# KiCad board ETH1CLCR2.kicad_pcb (continued)
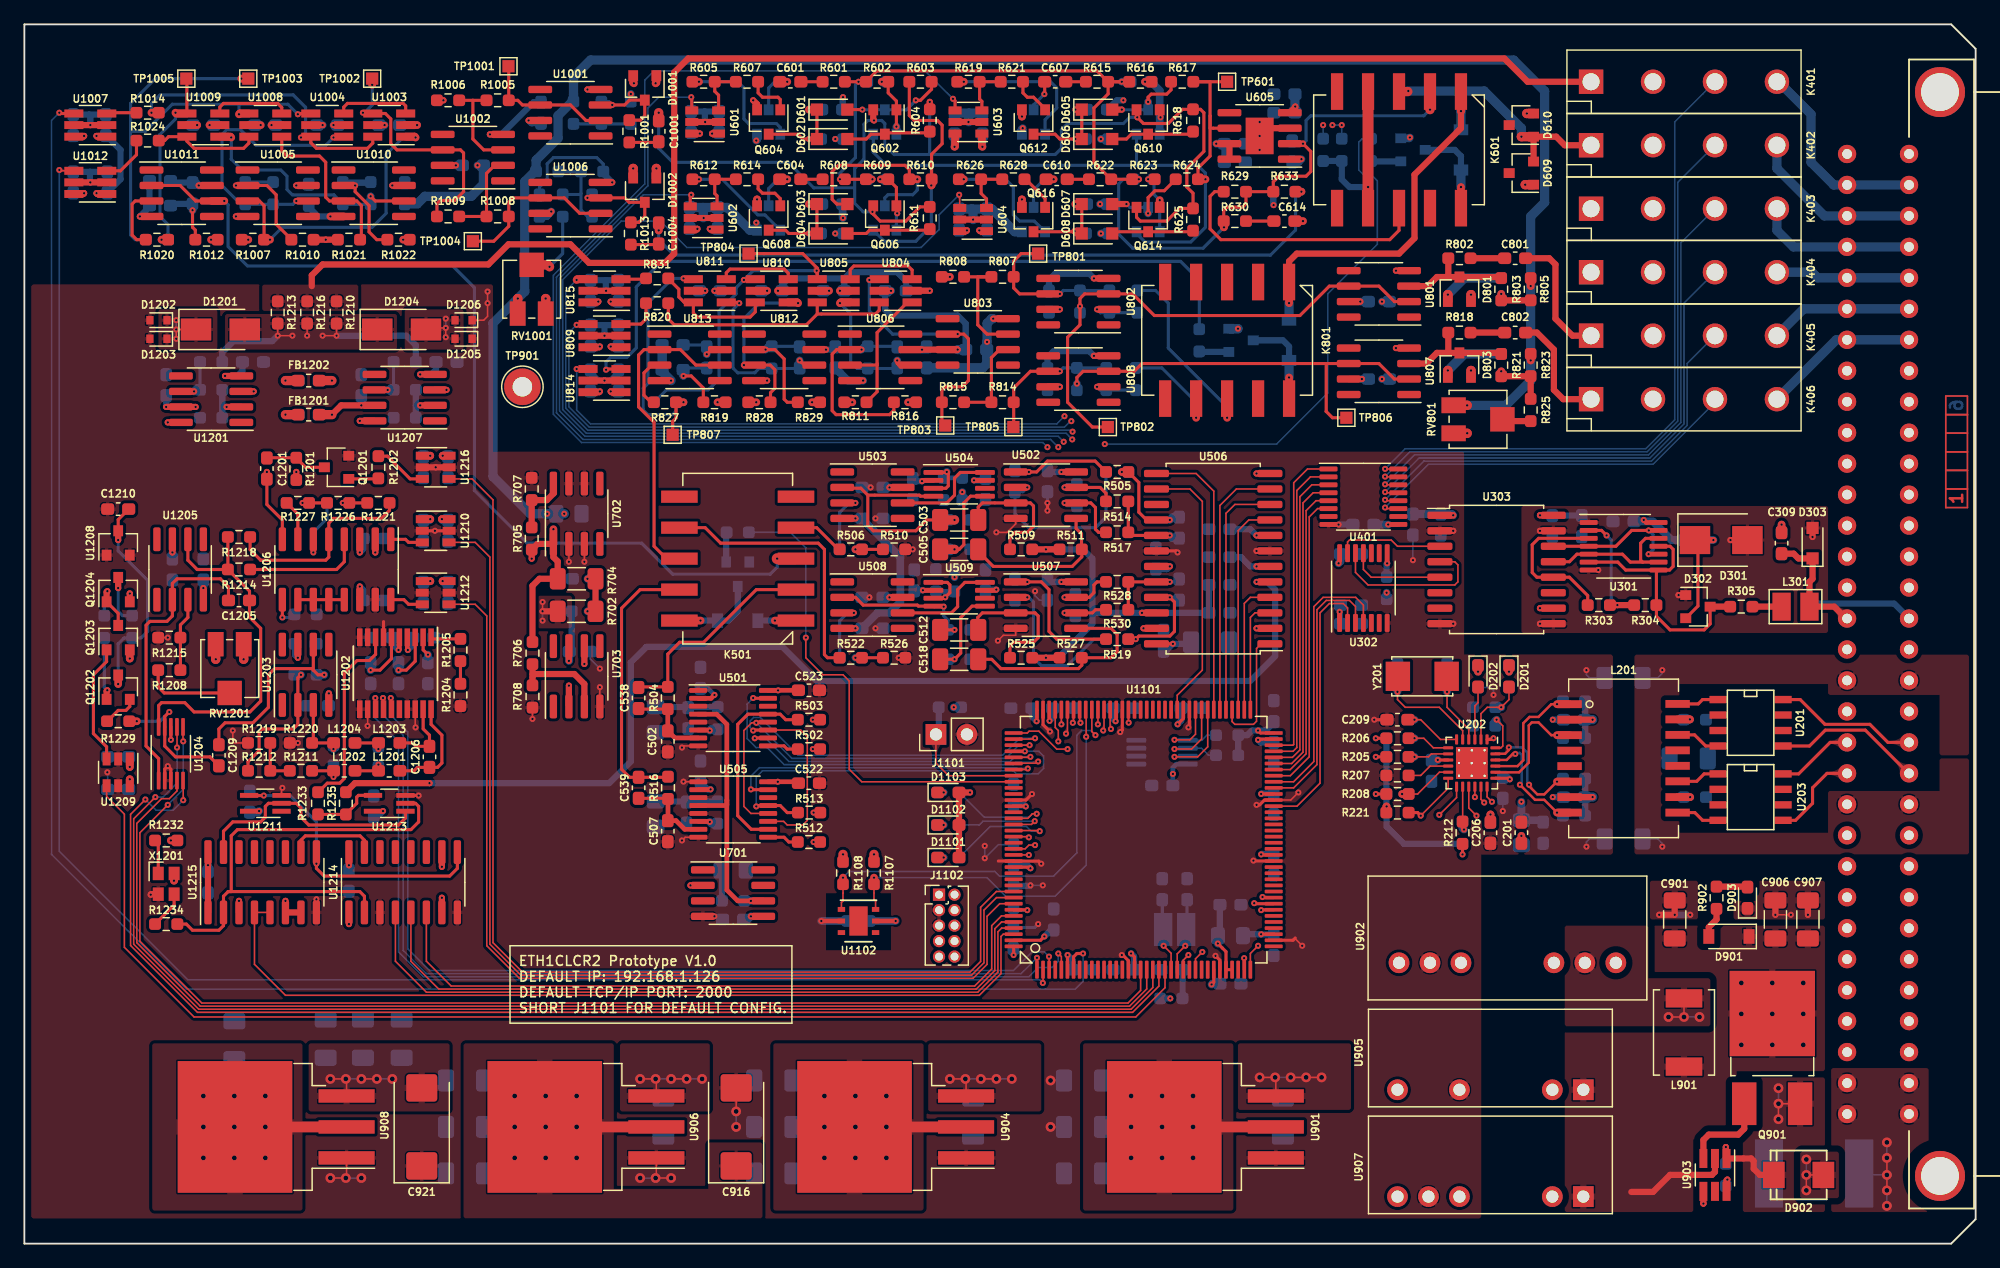
[diagram p0: board, top side]
## Routing (per net, layer and track width the routed paths; a pad name or vN(x,y) marks a point on that pad's centre or on a via; arc(x,y) is an arc through that point) (continued)
  Top w0.634: R624.1 v1(96.84,87.3) ; v1(74.37,86.79) 74.39,86.81 R610.1
  Bottom w0.254: 92.15,88.44 91.2,88.44 Q609.2 ; 92.15,88.44 96.21,88.44 96.84,87.8 v1(96.84,87.3) 96.84,83.36 95.64,82.15 91.89,82.15 91.2,82.85 Q613.2 ; 92.15,88.44 74.37,88.44 ; 74.37,88.44 v1(74.37,86.79) 74.37,83.48 73.1,82.22 70.51,82.22 Q605.2 ; 74.37,88.44 70.68,88.44 69.61,89.52 Q601.2
Net-(Q603-Pad1): length 10.8
  Top w0.634: R605.1 v1(55.32,95.3)
  Bottom w0.254: v1(55.32,95.3) 58.49,95.3 59,94.79 59,92.25 59.38,91.87 61.67,91.87 61.98,91.55 61.98,90.99
Net-(Q604-Pad1): length 3.8
  Top w0.254: 61.98,92.99 61.98,93.84 61.79,94.03 60.52,94.03 60.17,94.38 R607.1
Net-(Q607-Pad1): length 8.9
  Top w0.254: v1(55.32,87.3) R612.1
  Bottom w0.254: v1(55.32,87.3) 57.22,87.3 60.14,84.37 60.73,84.37 61.98,83.12
Net-(Q608-Pad1): length 3.5
  Top w0.254: R614.1 60.17,86.51 60.52,86.15 61.54,86.15 61.98,85.71 61.98,85.12
Net-(Q611-Pad1): length 12.6
  Top w0.634: R619.1 v1(77.03,95.3)
  Bottom w0.254: Q611.1 83.7,92.18 84.65,93.14 84.65,94.79 84.15,95.3 v1(77.03,95.3)
Net-(Q612-Pad1): length 3.4
  Top w0.254: Q612.1 83.7,93.08 82.75,94.03 82.24,94.03 81.88,94.38 R621.1
Net-(Q615-Pad1): length 10.2
  Top w0.634: R626.1 v1(77.03,87.3)
  Bottom w0.254: Q615.1 83.69,82.99 82.81,83.87 81.6,83.87 81.1,84.37 81.1,86.66 80.46,87.3 v1(77.03,87.3)
Net-(Q616-Pad1): length 3.1
  Top w0.254: Q616.1 83.7,85.71 82.11,87.3 R628.1
Net-(Q617-Pad1): length 2.4
  Bottom w0.508: Q617.1 110.47,88.76 R635.1
Net-(Q801-Pad1): length 2.4
  Bottom w0.508: R812.1 96.37,73.14 Q801.1
Net-(Q901-Pad1): length 7.3
  Top w0.508: Q901.1 141.03,9.43 140.53,8.94 138.12,8.94 137.68,8.49 U903.3
Net-(Q1201-Pad1): length 2.4
  Top w0.254: Q1201.1 28.99,62.72 R1202.1
Net-(Q1202-Pad1): length 5.2
  Top w0.508: Q1202.1 6.74,45.32 v1(6.8,45.38)
  Bottom w0.254: R1230.1 6.55,45.64 v1(6.8,45.38)
Net-(Q1202-Pad2): length 3
  Top w0.254: R1229.2 6.8,42.84 7.69,43.73 8.33,43.73 8.64,44.05 Q1202.2
Net-(Q1203-Pad1): length 9.8
  Top w0.254: U1209.3 6.74,40.75 5.66,41.83 5.66,46.66 6.74,47.74 Q1203.1
Net-(Q1203-Pad3): length 5.3
  Top w0.254: Q1203.3 7.69,51.69 Q1204.1
  Top w0.508: v1(6.8,53.51) 6.74,53.45 Q1204.1
  Bottom w0.254: R1230.2 6.55,52.24 6.8,52.5 v1(6.8,53.51)
Net-(Q1204-Pad3): length 4.1
  Top w0.508: Q1204.3 v1(7.69,53.77)
  Bottom w0.254: v1(7.69,53.77) 7.69,51.86 8.05,51.5 R1231.2
Net-(R207-Pad1): length 3.6
  Top w0.127: U202.10 115.26,39.17 114.5,38.4 R207.1
Net-(R209-Pad2): length 3.6
  Top w0.127: U202.24 121.08,40.67 121.23,40.81 121.23,42.46 v1(120.72,42.97)
  Bottom w0.634: R209.2 120.62,42.87 v1(120.72,42.97)
Net-(R301-Pad2): length 2
  Top w0.254: U302.8 v1(111.75,55.8)
  Bottom w0.508: v1(111.75,55.8) 111.7,55.75 R301.2
Net-(R303-Pad2): length 9.7
  Top w0.254: v1(129.74,58.08) 129.33,58.5 U301.2
  Top w0.508: R303.2 v1(130.63,52.37) R304.1
  Bottom w0.254: v1(130.63,52.37) 130.12,52.88 130.12,57.7 v1(129.74,58.08)
Net-(R502-Pad2): length 2.6
  Top w0.254: R502.2 62.56,40.56 62.29,40.82 U501.9
Net-(R503-Pad2): length 15.9
  Top w0.254: R503.2 62.43,42.97 61.98,43.42 U501.13 59.32,43.42 58.49,42.59 58.49,35.1 59.61,33.98 U505.10
Net-(R506-Pad1): length 2.8
  Top w0.254: R510.2 R506.1
  Top w0.634: R506.1 v1(68.14,56.94)
  Bottom w0.634: R506.1 v1(68.14,56.94)
Net-(R507-Pad1): length 5.7
  Top w0.254: v1(68.14,60.75) U503.3
  Bottom w0.254: R507.1 66.85,59.97 67.64,60.75 v1(68.14,60.75)
Net-(R512-Pad2): length 2.6
  Top w0.254: R512.2 62.68,32.94 62.29,33.33 60.99,33.33
Net-(R522-Pad1): length 2.8
  Top w0.254: R526.2 R522.1 v1(68.14,48.05)
  Bottom w0.634: R522.1 v1(68.14,48.05)
Net-(R523-Pad1): length 5.4
  Top w0.254: v1(68.02,51.73) U508.3
  Bottom w0.254: R523.1 66.85,51.08 67.51,51.73 v1(68.02,51.73)
Net-(R532-Pad1): length 5.7
  Top w0.254: 74.54,63.25 75.59,63.25 v1(75.64,63.29) 75.76,63.17 75.76,62.15 75.56,61.95 U504.3
  Bottom w0.381: R532.1 R533.1
  Bottom w0.634: v1(75.64,63.29) 75.38,63.04 R532.1
Net-(R534-Pad1): length 6
  Top w0.254: U509.1 75.68,54.23 75.89,54.02 75.89,53.39 v1(75.51,53) 75.44,52.93 U509.3
  Bottom w0.254: v1(75.51,53) 75.51,53.39
  Bottom w0.381: 75.53,53.49 75.53,53.03 v1(75.51,53) ; 75.53,53.49 R535.1 ; 75.53,53.49 R534.1
Net-(R605-Pad2): length 4.2
  Top w0.254: U601.3 56.92,94.2 56.61,94.51 R605.2 R607.2
Net-(R612-Pad2): length 4
  Top w0.254: U602.3 56.8,85.94 56.61,86.13 R612.2 R614.2
Net-(R619-Pad2): length 4.2
  Top w0.254: U603.3 78.51,93.69 78.33,93.88 R619.2 R621.2
Net-(R626-Pad2): length 4.3
  Top w0.254: R628.2 R626.2 78.45,86.13 78.9,85.69 78.9,84.94
Net-(R705-Pad2): length 5.1
  Top w0.508: R705.2 R707.1 42.85,60.98 43.38,61.51 U702.8
Net-(R706-Pad2): length 8.2
  Top w0.508: R708.1 R706.2 ; 45.92,44.05 45.92,45.89 45.09,46.72 41.66,46.72
Net-(R801-Pad1): length 12.6
  Top w0.254: TP801.1 81.73,81.2 81.12,80.59 R807.2 81.12,78.38 81.6,77.9 U802.6 v1(84.91,77.9)
  Bottom w0.254: R806.1 R801.1 85.18,78.17 v1(84.91,77.9)
Net-(R801-Pad2): length 43
  Top w0.254: U801.2 112.34,77.26 111.07,78.53 U801.6 107,78.53 104.59,76.12 92.65,76.12 90.88,77.9 U802.3 86.94,77.9 86.56,77.52 v1(86.56,76.88) 86.56,75.36 85.54,74.34 85.54,69.01 87.57,66.97 TP802.1
  Bottom w0.254: R801.2 v1(86.56,76.88)
Net-(R803-Pad1): length 3.5
  Top w0.508: R805.2 R803.1
  Top w0.634: R803.1 v1(121.1,77.9)
  Bottom w0.634: R803.1 v1(121.1,77.9)
Net-(R806-Pad2): length 4.4
  Top w0.254: U802.2 v1(87.96,76.63)
  Bottom w0.254: v1(87.96,76.63) 88.23,76.35 R806.2 R809.1
Net-(R807-Pad1): length 10.1
  Top w0.254: R808.2 R807.1 78.18,79.29 78.18,75.36 78.94,74.59 80.65,74.59
Net-(R810-Pad2): length 4.2
  Top w0.254: U808.2 v1(87.96,70.28)
  Bottom w0.254: R810.2 R826.2 88.23,70 v1(87.96,70.28)
Net-(R811-Pad1): length 12.3
  Top w0.254: 69.92,72.18 69.92,72.06 67.7,72.06 ; 69.92,72.18 69.92,69.87 R811.1 ; 69.92,72.18 69.92,74.72 72.4,77.2 U804.1
Net-(R812-Pad2): length 61.6
  Top w0.254: v1(47.7,71.67) 47.76,71.73 U814.3
  Bottom w0.254: v1(47.7,71.67) 47.7,72.31 48.08,72.69 49.4,72.69 50.17,73.46 50.17,78.47 52.27,80.56 94.81,80.56 96.34,79.04 R812.2
Net-(R813-Pad1): length 11.5
  Top w0.254: v1(84.91,71.55) U808.6 82.49,71.55 81.12,70.17 R814.2 81.12,67 TP805.1
  Bottom w0.254: v1(84.91,71.55) 85.18,71.82 R813.1 R826.1
Net-(R813-Pad2): length 35.1
  Top w0.254: 106.75,72.18 106.75,68.25 106.75,68.25 ; 106.75,72.18 91.64,72.18 91,71.55 U808.3 86.81,71.55 86.3,71.04 v1(86.3,70.53) ; 106.75,72.18 U807.6 111.07,72.18 112.34,70.91 U807.2 ; 106.75,68.25 107.26,67.74 TP806.1
  Bottom w0.634: R813.2 v1(86.3,70.53)
Net-(R814-Pad1): length 7.5
  Top w0.254: R815.2 R814.1 79.3,72.67 79.95,73.33 80.65,73.33
Net-(R815-Pad1): length 23.1
  Top w0.254: v1(69.29,79.04) 69.35,79.1 70.09,79.1 ; v1(76.53,74.59) U803.6 77.03,74.59 77.41,74.21 77.41,70.78 76.91,70.28 75.51,70.28 75.23,70 R815.1 75.23,67.38 TP803.1
  Bottom w0.254: v1(76.53,74.59) 71.19,74.59 69.29,76.5 v1(69.29,79.04)
Net-(R820-Pad1): length 20.9
  Top w0.254: 65.02,76.25 69.79,76.25 70.09,76.55 U804.6 ; 65.02,76.25 64.13,75.36 53.28,75.36 52.8,75.84 R820.1 ; 65.02,76.25 U805.6
Net-(R820-Pad2): length 3.5
  Top w0.254: R820.2 50.97,75.84 50.55,75.42 U809.3
Net-(R821-Pad1): length 5.1
  Top w0.508: R825.2 R823.2 R821.1
  Top w0.634: v1(121.1,71.55) R821.1
  Bottom w0.634: R821.1 v1(121.1,71.55)
Net-(R824-Pad1): length 30.1
  Top w0.254: 59.94,79.1 59.06,79.1 v1(59,79.04) ; v1(64.97,79.8) 65.02,79.76 65.02,79.1 65.02,80.01 63.83,81.2 TP804.1
  Bottom w0.254: v1(64.97,79.8) 59.76,79.8 v1(59,79.04) 58.36,78.41 58.36,77.9 56.97,76.5 56.97,70.91 56.08,70.02 52.65,70.02 51.63,69.01 R824.1
Net-(R824-Pad2): length 21.2
  Top w0.254: v1(54.05,79.17) 54.11,79.1 54.86,79.1 ; R827.2 53.43,67.71 53.16,67.44 TP807.1
  Top w0.634: R827.2 v1(54.05,69.01)
  Bottom w0.254: R827.2 53.43,68.27 53.16,67.99 51.12,67.99 50.74,68.37 50.74,70.15 51.12,70.53 51.12,77.13 53.16,79.17 v1(54.05,79.17)
  Bottom w0.634: R827.2 v1(54.05,69.01)
Net-(R825-Pad1): length 2.4
  Top w0.508: RV801.2 121.35,67.46 R825.1
Net-(R827-Pad1): length 4.4
  Top w0.254: 52.08,72.06 51.44,72.06 50.81,71.42 50.81,69.58 51.38,69.01 R827.1
Net-(R828-Pad1): length 15.1
  Top w0.254: v1(59,72.06) 61.16,72.06 61.54,71.67 61.54,70.15 61.18,69.79 R828.1
  Top w0.634: 62.64,77.2 63.38,77.2 v1(63.44,77.13)
  Bottom w0.254: v1(63.44,77.13) 60.27,77.13 59,75.86 v1(59,72.06)
Net-(R831-Pad1): length 10.3
  Top w0.254: R831.1 52.8,79.14 53.67,78.28 53.67,77.64 54.11,77.2 U811.6 54.86,76.33 55.19,75.99 59.51,75.99 59.94,76.42 U810.6
Net-(R831-Pad2): length 2.1
  Top w0.254: R831.2 50.91,79.1 48.92,79.1
Net-(R901-Pad2): length 1.6
  Top w0.508: U903.6 139.58,5.19 v1(139.64,5.25)
  Bottom w0.254: v1(139.64,5.25) 139.64,4.85 R901.2
Net-(R1002-Pad1): length 4.7
  Bottom w0.254: R1004.2 R1002.1 R1003.1
Net-(R1005-Pad1): length 8.3
  Top w0.254: 36.77,93.77 R1006.2 ; 36.77,93.77 36.77,90.6 37.66,89.71 U1002.3 ; 36.77,93.77 R1005.1
Net-(R1005-Pad2): length 11
  Top w0.254: U1001.2 46.05,92.12 44.78,93.39 U1001.6 40.84,93.39 40.46,93.77 R1005.2 39.72,96.54 TP1001.1
Net-(R1007-Pad1): length 23.9
  Top w0.254: 18.3,85.52 19.27,85.52 19.65,85.14 R1007.1
  Top w0.634: R1007.1 v1(20.14,82.34) ; U1003.1 32.01,90.79 v1(32.08,90.72)
  Bottom w0.254: v1(20.14,82.34) 21.15,83.36 28.52,83.36 29.66,84.5 29.66,89.33 31.06,90.72 v1(32.08,90.72)
Net-(R1008-Pad1): length 7.4
  Top w0.254: U1002.2 38.55,88.44 37.89,87.78 R1008.1 R1009.2
Net-(R1008-Pad2): length 13.4
  Top w0.254: 47.25,84.5 45.54,84.5 44.27,85.77 U1006.6 40.08,85.77 39.72,85.41 R1008.2 39.72,83.44 38.49,82.22 37.03,82.22
Net-(R1009-Pad1): length 20.8
  Top w0.254: R1009.1 33.83,85.3 34.08,85.55 35.28,85.55 36.01,86.28 36.01,89.45 35.76,89.71 U1002.6 30.55,89.71 30.04,90.22 30.04,92.25 29.6,92.69 U1003.4 27.82,92.69 v1(27.76,92.76)
  Top w0.634: TP1002.1 v1(28.52,95.04)
  Bottom w0.254: v1(27.76,92.76) 27.88,92.76 28.52,93.39 v1(28.52,95.04)
Net-(R1014-Pad1): length 24.6
  Top w0.254: v1(22.68,90.72) 22.74,90.79 U1004.6 23.49,90.3 23.95,89.84 28.14,89.84 28.57,90.26 U1003.6
  Top w0.634: R1014.1 v1(10.42,92.76)
  Bottom w0.254: v1(22.68,90.72) 23.06,91.1 23.06,93.2 22.04,94.22 11.12,94.22 10.42,93.52 v1(10.42,92.76)
Net-(R1014-Pad2): length 2.5
  Top w0.254: U1007.3 6.82,92.76 R1014.2
Net-(R1015-Pad1): length 7.7
  Bottom w0.254: 45.64,86.13 45.56,86.05 R1019.2 ; 45.64,86.13 45.64,84.78 46.2,84.22 R1015.1 ; 45.64,86.13 R1017.1 R1018.2
Net-(R1016-Pad1): length 40.4
  Top w0.254: U1004.4 22.48,92.69 v1(22.42,92.63)
  Top w0.634: U1008.4 17.66,92.69 v1(17.6,92.63) ; TP1003.1 v1(17.79,95.55)
  Bottom w0.254: 8.71,91.23 8.71,82.72 9.09,82.34 R1016.1 ; 8.71,91.23 8.71,93.52 10.74,95.55 v1(17.79,95.55) ; 8.71,91.23 9.91,91.23 12.14,93.45 17.6,93.45 ; 17.6,93.45 21.6,93.45 v1(22.42,92.63) ; 17.6,93.45 v1(17.6,92.63)
Net-(R1016-Pad2): length 16.1
  Top w0.254: TP1005.1 13.33,95.5 U1009.4
  Top w0.634: R1020.2 v1(11.25,82.34) ; v1(12.39,92.76) 12.46,92.69 U1009.4
  Bottom w0.254: R1020.2 11.78,83.59 11.12,84.25 11.12,90.98 12.39,92.25 v1(12.39,92.76)
  Bottom w0.634: R1020.2 v1(11.25,82.34)
Net-(R1019-Pad1): length 6.1
  Top w0.761: RV1001.2 42.9,80.28 v1(43.06,80.12)
  Bottom w0.254: v1(43.06,80.12) 44.14,81.2 R1019.1
Net-(R1020-Pad1): length 5.5
  Top w0.254: R1020.1 9.22,82.34 8.83,82.72 8.83,85.26 9.09,85.52 U1011.3
Net-(R1021-Pad1): length 14.1
  Top w0.254: R1021.1 27.63,82.45 27.63,85.14 27.25,85.52 U1010.3 25.02,85.52 24.71,85.82 24.71,88.69 24.2,89.2 21.53,89.2 21.11,89.63 U1008.1
Net-(R1024-Pad1): length 8.8
  Top w0.254: U1008.6 18.41,90.26 17.98,89.84 13.91,89.84 13.33,90.42 U1009.6 11.82,90.79 11.5,90.47 R1024.1
Net-(R1024-Pad2): length 4.1
  Top w0.254: R1024.2 9.19,89.3 7.88,87.99 U1012.3
Net-(R1105-Pad1): length 2.3
  Top w0.254: U1101.138 82.21,27.38 v1(82.24,27.35)
  Bottom w0.254: v1(82.24,27.35) 81.28,27.35 R1105.1
Net-(R1203-Pad1): length 3.9
  Top w0.508: U1201.6 v1(13.91,69.9)
  Bottom w0.254: R1206.2 R1203.1
  Bottom w0.634: R1203.1 14.04,70.02 v1(13.91,69.9)
Net-(R1203-Pad2): length 8
  Top w0.508: U1201.2 v1(16.58,68.63)
  Bottom w0.254: R1203.2 R1209.1
  Bottom w0.508: 16.22,68.2 R1203.2 R1209.1 ; 16.22,68.59 16.26,68.63 v1(16.58,68.63)
Net-(R1204-Pad2): length 1.9
  Top w0.254: R1205.1 R1204.2
Net-(R1205-Pad2): length 2.5
  Top w0.254: U1202.1 33.48,49.6 R1205.2
Net-(R1207-Pad2): length 11.7
  Top w0.254: v1(22.68,46.66) 22.42,46.4 U1203.2 22.42,42.59 22.04,42.21 19.5,42.21 19.25,41.96 19.25,40.43 18.34,39.52 R1212.1
  Bottom w0.634: R1207.2 v1(22.68,46.66)
Net-(R1208-Pad1): length 7.4
  Top w0.254: R1208.1 10.97,45.66 11.47,45.16 RV1201.2
Net-(R1208-Pad2): length 6
  Top w0.254: U1205.3 13.41,51.35 12.79,50.74 R1215.1 R1208.2
Net-(R1211-Pad1): length 3.9
  Top w0.254: R1211.1 R1212.2 R1219.1
Net-(R1214-Pad1): length 9.8
  Top w0.254: R1214.1 25.6,55.29 26.23,55.93 U1206.4
Net-(R1217-Pad1): length 3.8
  Top w0.254: U1207.6 v1(29.79,70.02)
  Bottom w0.254: R1224.2 R1217.1
  Bottom w0.634: R1217.1 v1(29.79,70.02)
Net-(R1217-Pad2): length 6.1
  Top w0.508: U1207.2 v1(32.46,68.75)
  Bottom w0.254: R1217.2 R1225.1
  Bottom w0.508: R1217.2 R1225.1 ; v1(32.46,68.75) 32.12,68.75 32.1,68.73
Net-(R1218-Pad1): length 16.8
  Top w0.254: R1221.1 29.94,60.14 29.28,59.48 25.34,59.48 24.96,59.1 U1206.5 24.96,56.31 24.71,56.05 19.38,56.05 18.51,56.92 R1218.1
Net-(R1221-Pad2): length 2.5
  Top w0.254: v1(26.11,60.75) R1226.1 R1221.2
  Bottom w0.254: R1226.1 v1(26.11,60.75)
Net-(R1222-Pad1): length 2.6
  Top w0.254: v1(21.15,51.35) U1206.9
  Bottom w0.254: R1222.1 22.15,51.46 22.04,51.35 v1(21.15,51.35)
Net-(R1223-Pad1): length 5.6
  Top w0.254: v1(23.69,56.69) U1206.6
  Bottom w0.254: v1(23.69,56.69) 23.69,58.34 24.81,59.46 R1223.1
Net-(R1226-Pad2): length 2.5
  Top w0.254: v1(22.8,60.75) R1227.2 R1226.2
  Bottom w0.254: R1227.2 v1(22.8,60.75)
Net-(R1227-Pad1): length 3.4
  Top w0.254: U1206.7 22.42,59.84 R1227.1
Net-(R1232-Pad2): length 2.8
  Top w0.254: R1232.2 10.98,32.8 X1201.1
Net-(R1233-Pad2): length 5.5
  Top w0.254: R1233.2 R1235.2 26.36,35.22 27.25,36.11 27.25,36.62 27.39,36.76 U1213.4
Net-(R1234-Pad1): length 42.9
  Top w0.254: R1234.1 13.28,26.21 13.79,25.7 15.95,25.7 16.33,26.08 U1215.2 16.33,28.49 16.71,28.88 ; U1213.2 32.08,36.11 32.33,35.86 32.33,34.59 31.69,33.95 17.47,33.95 16.96,33.45 16.96,28.88 16.71,28.88 ; 16.71,28.88 27.5,28.88 27.88,28.49 U1214.2
Net-(R1234-Pad2): length 3.1
  Top w0.254: R1234.2 12.28,27.77 X1201.3
Net-(U302-Pad11): length 7.9
  Top w0.127: U303.5 110.43,54.66 109.8,55.29 U302.11
Net-(U302-Pad12): length 13.5
  Top w0.127: U303.4 117.29,55.93 117.55,55.67 117.55,54.28 117.29,54.02 110.18,54.02 109.15,55.05 U302.12
Net-(U302-Pad13): length 8.8
  Top w0.127: U302.13 108.5,57.55 108.66,57.7 112.09,57.7 112.59,57.2 U303.3
Net-(U503-Pad6): length 8.6
  Top w0.254: U503.6 75.64,60.75 76.27,61.39 76.27,62.78 76.74,63.25 78.76,63.25
Net-(U508-Pad6): length 8.6
  Top w0.254: U508.6 76.02,51.73 76.53,52.24 76.53,53.64 77.12,54.23 U509.8
Net-(U804-Pad3): length 6.9
  Top w0.254: 67.72,79.1 67.72,79.88 68.02,80.18 72.46,80.18 72.79,79.85 72.79,79.1
Net-(U810-Pad3): length 6.4
  Top w0.254: 57.56,79.1 57.56,79.63 57.86,79.93 62.3,79.93 62.64,79.59 62.64,79.1
Net-(U1003-Pad3): length 6.4
  Top w0.254: U1004.3 26.19,93.22 26.49,93.52 31.06,93.52 31.27,93.31 U1003.3
Net-(U1008-Pad3): length 6.4
  Top w0.254: U1009.3 16.03,93.22 16.33,93.52 20.77,93.52 21.11,93.18 U1008.3
Net-(U1206-Pad10): length 3.8
  Top w0.254: U1206.10 U1206.13
Net-(U1211-Pad2): length 20.1
  Top w0.254: U1215.15 16.33,33.83 17.09,34.59 19.38,34.59 19.76,34.97 19.76,35.86 20.01,36.11 U1211.2 22.3,36.11 22.68,35.73 22.68,34.97 23.31,34.34 30.68,34.34 31.25,34.9 U1213.1
Net-(U1211-Pad4): length 24.6
  Top w0.254: v1(19.63,36.75) 18.44,36.75 U1211.4 ; U1214.9 35.5,30.78 34.87,30.14 24.58,30.14 23.95,30.78 v1(23.95,31.16) U1215.9
  Bottom w0.254: v1(23.95,31.16) 23.95,34.59 21.79,36.75 v1(19.63,36.75)
Net-(U1214-Pad15): length 7.5
  Top w0.254: U1215.10 22.68,33.09 23.04,33.45 27.52,33.45 27.88,33.09 U1214.15

## Copper pours and planes (outline as drawn; the poured copper is in the pictures)
+1V5 on In2.Cu: 34.87,92.25 36.39,92.25 36.39,84.75 53.79,84.75 53.79,70.28 67,70.28 67,80.31 76.91,80.31 76.91,67.61 79.19,67.61 79.19,53.77 74.37,53.77 74.37,65.07 55.57,65.07 55.57,38.4 42.74,38.4 42.74,48.69 50.62,48.69 50.62,80.56 17.6,80.56 17.6,84.75 28.77,84.75 28.77,94.28 34.87,94.28
+3.3VP on In2.Cu: 50.36,48.94 45.03,48.94 45.03,53.26 40.08,53.26 40.08,60.88 47.7,60.88 47.7,78.02 42.74,78.02 42.74,76.37 39.19,76.37 39.19,80.31 50.36,80.31
+3V3 on Top: 99.13,2.71 86.81,2.71 86.81,16.43 99.13,16.43
+3V3 on Top: 44.9,50.47 41.85,50.47 41.85,53.13 44.9,53.13
+3V3 on Bottom: 99.13,2.71 86.81,2.71 86.81,16.43 99.13,16.43
+3V3 on Bottom: 44.9,50.47 41.85,50.47 41.85,53.13 44.9,53.13
+3V3 on In2.Cu: 117.55,47.8 124.28,47.8 124.28,32.43 118.94,32.43 118.94,30.4 105.23,30.4 105.23,20.37 98.12,20.37 98.12,6.52 1.09,6.52 1.09,97.45 117.55,97.45
+5V on Top: 73.73,2.71 61.41,2.71 61.41,16.43 73.73,16.43
+5V on Bottom: 73.73,2.71 61.41,2.71 61.41,16.43 73.73,16.43
+5V on In3.Cu: 135.07,63.55 117.55,63.55 117.55,47.8 74.87,47.8 74.87,6.52 1.09,6.52 1.09,97.45 135.07,97.45
+5V_TRIG on In2.Cu: 147.39,50.59 123.26,50.59 123.26,59.99 147.39,59.99
+5V_TRIG on In3.Cu: 147.39,50.59 123.26,50.59 123.26,59.99 147.39,59.99
+5VA on Top: 48.33,4.49 56.08,4.49 56.08,8.3 60.52,8.3 60.52,2.08 36.01,2.08 36.01,16.43 48.33,16.43
+5VA on Top: 10.99,76.63 15.82,76.63 15.82,73.33 10.99,73.33
+5VA on Bottom: 48.33,2.71 36.01,2.71 36.01,16.43 48.33,16.43
+5VA on Bottom: 10.99,76.63 15.82,76.63 15.82,73.33 10.99,73.33
+5VA on In4.Cu: 64.33,14.65 64.33,6.52 1.09,6.52 1.09,97.45 135.07,97.45 135.07,63.55 117.55,63.55 117.55,47.8 109.42,47.8 109.42,14.65
+24V on Top: 156.15,2.59 148.15,2.59 148.15,14.4 156.15,14.4
+24V on Bottom: 156.15,2.59 148.15,2.59 148.15,14.4 156.15,14.4
+24V on In2.Cu: 156.15,2.59 148.15,2.59 148.15,14.4 156.15,14.4
+24V on In3.Cu: 156.15,2.59 148.15,2.59 148.15,14.4 156.15,14.4
-5VA on Top: 36.01,73.33 31.19,73.33 31.19,76.63 36.01,76.63
-5VA on Top: 34.87,10.84 23.31,10.84 23.31,16.43 34.87,16.43
-5VA on Bottom: 32.33,10.84 23.31,10.84 23.31,16.43 32.33,16.43
-5VA on Bottom: 36.01,73.33 31.19,73.33 31.19,76.63 36.01,76.63
-5VA on In4.Cu: 105.48,90.85 96.46,90.85 96.46,89.58 89.48,89.58 89.48,77.13 84.27,77.13 84.27,52.88 76.14,52.88 76.14,56.18 37.66,56.18 37.66,23.03 31.69,23.03 31.69,12.87 24.2,12.87 24.2,45.77 32.08,45.77 32.08,49.19 16.45,49.19 16.45,46.4 12.9,46.4 12.9,51.23 8.33,51.23 8.33,54.66 15.95,54.66 15.95,52.62 29.41,52.62 29.41,57.58 28.14,57.58 28.14,56.05 24.2,56.05 24.2,66.59 28.27,66.59 28.27,69.39 20.64,69.39 20.64,72.44 24.2,72.44 24.2,76.5 35.76,76.5 35.76,63.55 68.02,63.55 68.02,61.26 74.49,61.26 74.49,65.83 72.08,65.83 72.08,72.31 77.16,72.31 77.16,78.66 65.6,78.66 65.6,91.87 68.91,91.87 68.91,83.74 85.29,83.74 85.29,93.65 105.48,93.65
GND on Top: 38.42,64.94 118.05,64.94 118.05,48.31 130.25,48.31 130.25,31.92 119.45,31.92 119.45,2.08 0.58,2.08 0.58,78.66 38.42,78.66
GND on Top: 38.42,64.94 118.05,64.94 118.05,48.31 130.25,48.31 130.25,31.92 119.45,31.92 119.45,2.08 0.58,2.08 0.58,78.66 38.42,78.66
GND on Bottom: 102.43,91.61 102.43,87.93 99.26,87.93 99.26,95.17 103.32,95.17 103.32,91.61
GND on Bottom: 108.91,89.84 105.61,89.84 105.61,92.12 108.91,92.12
GND on Bottom: 38.42,64.94 118.05,64.94 118.05,48.31 130.25,48.31 130.25,31.92 119.45,31.92 119.45,2.08 0.58,2.08 0.58,78.66 38.42,78.66
GND on Bottom: 38.42,64.94 118.05,64.94 118.05,48.31 130.25,48.31 130.25,31.92 119.45,31.92 119.45,2.08 0.58,2.08 0.58,78.66 38.42,78.66
GND on In1.Cu: 135.58,63.04 118.05,63.04 118.05,48.31 130.25,48.31 130.25,31.92 119.45,31.92 119.45,2.08 0.58,2.08 0.58,97.96 135.58,97.96
GND on In3.Cu: 130.25,31.92 119.45,31.92 119.45,2.08 113.99,2.08 113.99,6.52 75.13,6.52 75.13,47.54 117.8,47.54 117.8,48.31 130.25,48.31
GND_TRIG on Top: 147.9,50.08 122.75,50.08 122.75,60.5 147.9,60.5
GND_TRIG on Bottom: 153.51,51.94 153.57,51.88 153.61,51.82 153.66,51.76 153.69,51.7 153.72,51.63 153.75,51.57 153.77,51.5 153.78,51.43 153.79,51.35 153.79,51.28 154.81,51 154.53,52.02 154.46,52.02 154.38,52.03 154.31,52.04 154.24,52.06 154.18,52.09 154.11,52.12 154.05,52.15 153.99,52.2 153.93,52.24 153.87,52.3
GND_TRIG on Bottom: 147.9,50.08 122.75,50.08 122.75,60.5 147.9,60.5
GND_TRIG on In1.Cu: 147.9,50.08 122.75,50.08 122.75,60.5 147.9,60.5
GND_TRIG on In4.Cu: 147.9,50.08 122.75,50.08 122.75,60.5 147.9,60.5
GNDPWR on Top: 137.23,26.59 133.29,26.59 133.29,29.76 137.23,29.76
GNDPWR on Top: 142.06,29.76 147.65,29.76 147.65,26.59 140.15,26.59 140.15,28.11 142.06,28.11
GNDPWR on Top: 148.79,3.73 145.61,3.73 145.61,7.54 148.79,7.54
GNDPWR on Bottom: 137.23,26.59 133.29,26.59 133.29,29.76 137.23,29.76
GNDPWR on Bottom: 147.65,29.76 147.65,26.59 142.06,26.59 142.06,29.76
GNDPWR on Bottom: 147.14,3.73 145.61,3.73 145.61,7.54 147.14,7.54
GNDPWR on In1.Cu: 159.71,2.08 123.64,2.08 123.64,29.76 159.71,29.76
GNDPWR on In4.Cu: 159.71,2.08 123.64,2.08 123.64,29.76 159.71,29.76
VCCQ on In2.Cu: 129.74,34.34 119.45,34.34 119.45,43.73 129.74,43.73
VCCQ on In4.Cu: 129.74,34.34 119.45,34.34 119.45,43.73 129.74,43.73
/Connector/EXT_TRIG on Top: 148.35,51.94 148.42,51.88 148.48,51.82 148.54,51.76 148.58,51.7 148.62,51.63 148.65,51.57 148.68,51.5 148.7,51.43 148.71,51.35 148.71,51.28 149.73,51 149.45,52.02 149.38,52.02 149.3,52.03 149.23,52.04 149.15,52.06 149.08,52.09 149,52.12 148.93,52.15 148.86,52.2 148.78,52.24 148.71,52.3
/Connector/H_CUR on Top: 27.38,76.5 19.5,76.5 19.5,78.66 27.38,78.66
/Connector/RX+ on Top: 148.07,40.98 148.16,40.98 148.25,40.97 148.34,40.95 148.43,40.92 148.51,40.88 148.6,40.84 148.68,40.79 148.76,40.73 148.85,40.66 148.92,40.58 149.84,41.11 148.92,41.64 148.85,41.56 148.76,41.49 148.68,41.43 148.6,41.38 148.51,41.34 148.43,41.3 148.34,41.27 148.25,41.25 148.16,41.24 148.07,41.24
/Connector/RX- on Top: 147.95,38.44 148.07,38.44 148.18,38.43 148.28,38.41 148.39,38.38 148.49,38.34 148.58,38.3 148.67,38.25 148.76,38.19 148.84,38.12 148.92,38.04 149.84,38.57 148.92,39.1 148.84,39.02 148.76,38.95 148.67,38.89 148.58,38.84 148.49,38.8 148.39,38.76 148.28,38.73 148.18,38.71 148.07,38.7 147.95,38.7
/Connector/TX+ on Top: 153.03,40.98 153.15,40.98 153.26,40.97 153.36,40.95 153.47,40.92 153.57,40.88 153.66,40.84 153.75,40.79 153.84,40.73 153.92,40.66 154,40.58 154.92,41.11 154,41.64 153.92,41.56 153.84,41.49 153.75,41.43 153.66,41.38 153.57,41.34 153.47,41.3 153.36,41.27 153.26,41.25 153.15,41.24 153.03,41.24
/Connector/TX- on Top: 153.35,39.54 153.43,39.46 153.51,39.38 153.57,39.29 153.63,39.19 153.68,39.1 153.72,39 153.75,38.9 153.77,38.79 153.79,38.69 153.79,38.58 154.81,38.3 154.53,39.32 154.42,39.32 154.31,39.33 154.21,39.35 154.1,39.38 154,39.42 153.9,39.46 153.8,39.52 153.71,39.58 153.62,39.65 153.53,39.72
/MCU/MCU_DEFAULT on Top: 74.81,39.87 74.82,40.02 74.83,40.17 74.86,40.31 74.9,40.44 74.94,40.58 75,40.7 75.07,40.82 75.15,40.94 75.24,41.05 75.34,41.16 74.75,42.19 74.15,41.16 74.25,41.05 74.34,40.94 74.42,40.82 74.49,40.7 74.55,40.58 74.6,40.44 74.64,40.31 74.66,40.17 74.68,40.02 74.68,39.87
Earth on Top: 159.46,40.05 157.04,40.05 157.04,45 147.9,45 147.9,45.89 135.71,45.89 135.71,33.7 147.9,33.7 147.9,37.13 157.04,37.13 157.04,39.8 159.46,39.8 159.46,31.92 132.02,31.92 132.02,48.31 159.46,48.31
Earth on Bottom: 159.46,40.05 157.04,40.05 157.04,45 147.9,45 147.9,45.89 135.71,45.89 135.71,33.7 147.9,33.7 147.9,37.13 157.04,37.13 157.04,39.8 159.46,39.8 159.46,31.92 132.02,31.92 132.02,48.31 159.46,48.31
Earth on In1.Cu: 159.46,40.05 157.04,40.05 157.04,45 147.9,45 147.9,45.89 135.71,45.89 135.71,33.7 147.9,33.7 147.9,37.13 157.04,37.13 157.04,39.8 159.46,39.8 159.46,31.92 132.02,31.92 132.02,48.31 159.46,48.31
Earth on In2.Cu: 159.46,40.05 157.04,40.05 157.04,45 147.9,45 147.9,45.89 135.71,45.89 135.71,33.7 147.9,33.7 147.9,37.13 157.04,37.13 157.04,39.8 159.46,39.8 159.46,31.92 132.02,31.92 132.02,48.31 159.46,48.31
Earth on In3.Cu: 159.46,40.05 157.04,40.05 157.04,45 147.9,45 147.9,45.89 135.71,45.89 135.71,33.7 147.9,33.7 147.9,37.13 157.04,37.13 157.04,39.8 159.46,39.8 159.46,31.92 132.02,31.92 132.02,48.31 159.46,48.31
Earth on In4.Cu: 159.46,40.05 157.04,40.05 157.04,45 147.9,45 147.9,45.89 135.71,45.89 135.71,33.7 147.9,33.7 147.9,37.13 157.04,37.13 157.04,39.8 159.46,39.8 159.46,31.92 132.02,31.92 132.02,48.31 159.46,48.31
Net-(C211-Pad1) on Bottom: 139.14,35.61 137.36,35.61 137.36,43.86 139.14,43.86
Net-(C901-Pad1) on Top: 126.31,2.59 126.31,26.08 147.65,26.08 147.65,14.14 140.41,14.14 140.41,8.56 136.85,8.56 136.85,2.59
Net-(C901-Pad1) on Bottom: 147.65,14.14 140.41,14.14 140.41,2.59 126.31,2.59 126.31,26.08 147.65,26.08
Net-(C901-Pad1) on In2.Cu: 147.65,14.14 140.41,14.14 140.41,2.59 126.31,2.59 126.31,26.08 147.65,26.08
Net-(C901-Pad1) on In3.Cu: 147.65,14.14 140.41,14.14 140.41,2.59 126.31,2.59 126.31,26.08 147.65,26.08
Net-(C902-Pad1) on Top: 108.78,10.97 99.51,10.97 99.51,16.43 108.78,16.43
Net-(C902-Pad1) on Bottom: 108.78,10.97 99.51,10.97 99.51,16.43 108.78,16.43
